# Altium PCB Spektrop2_PCB_Combined_CMV4000_V1.PcbDoc (part 1 of 6)
Units mm, origin at the board's own origin, x right, y up, seen from the top; angles counter-clockwise.
Board outline 87 x 42 mm, 8 copper layers (TOP, L1-GND, L2, L3-1V8, L4-PWR, L5, L6-P2V5, BTM), stack 1.588 mm thick; 353 components, 311 nets, 2431 pads, 951 vias.
Unrouted connection lines stored in the file: 2.
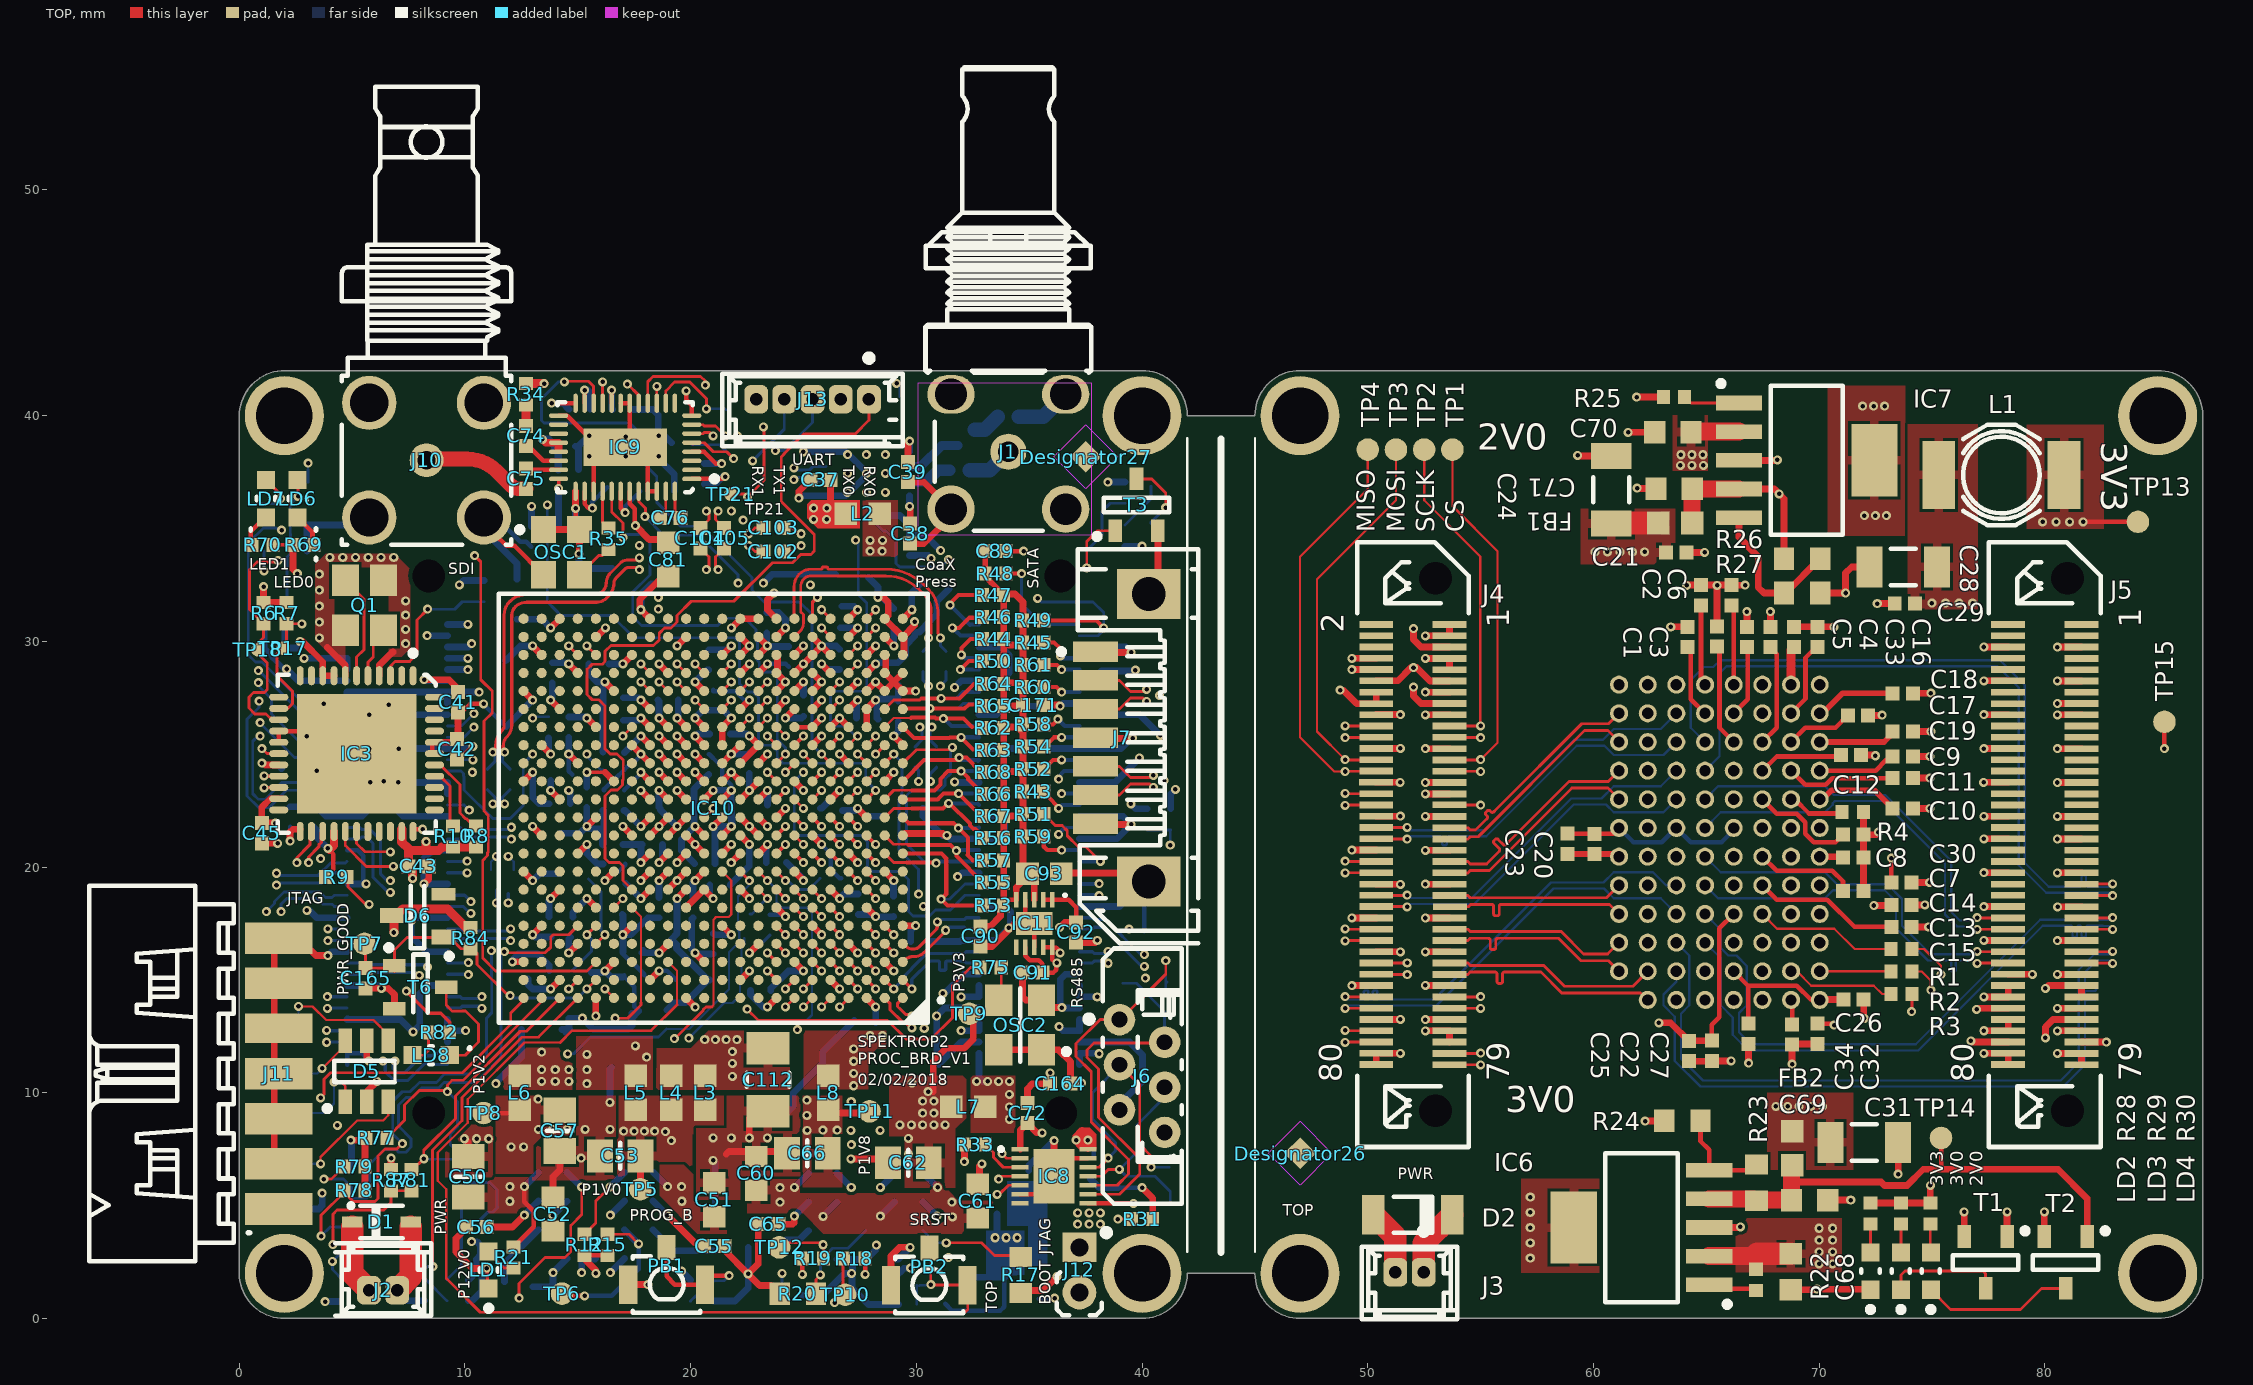
[diagram p0: TOP view]
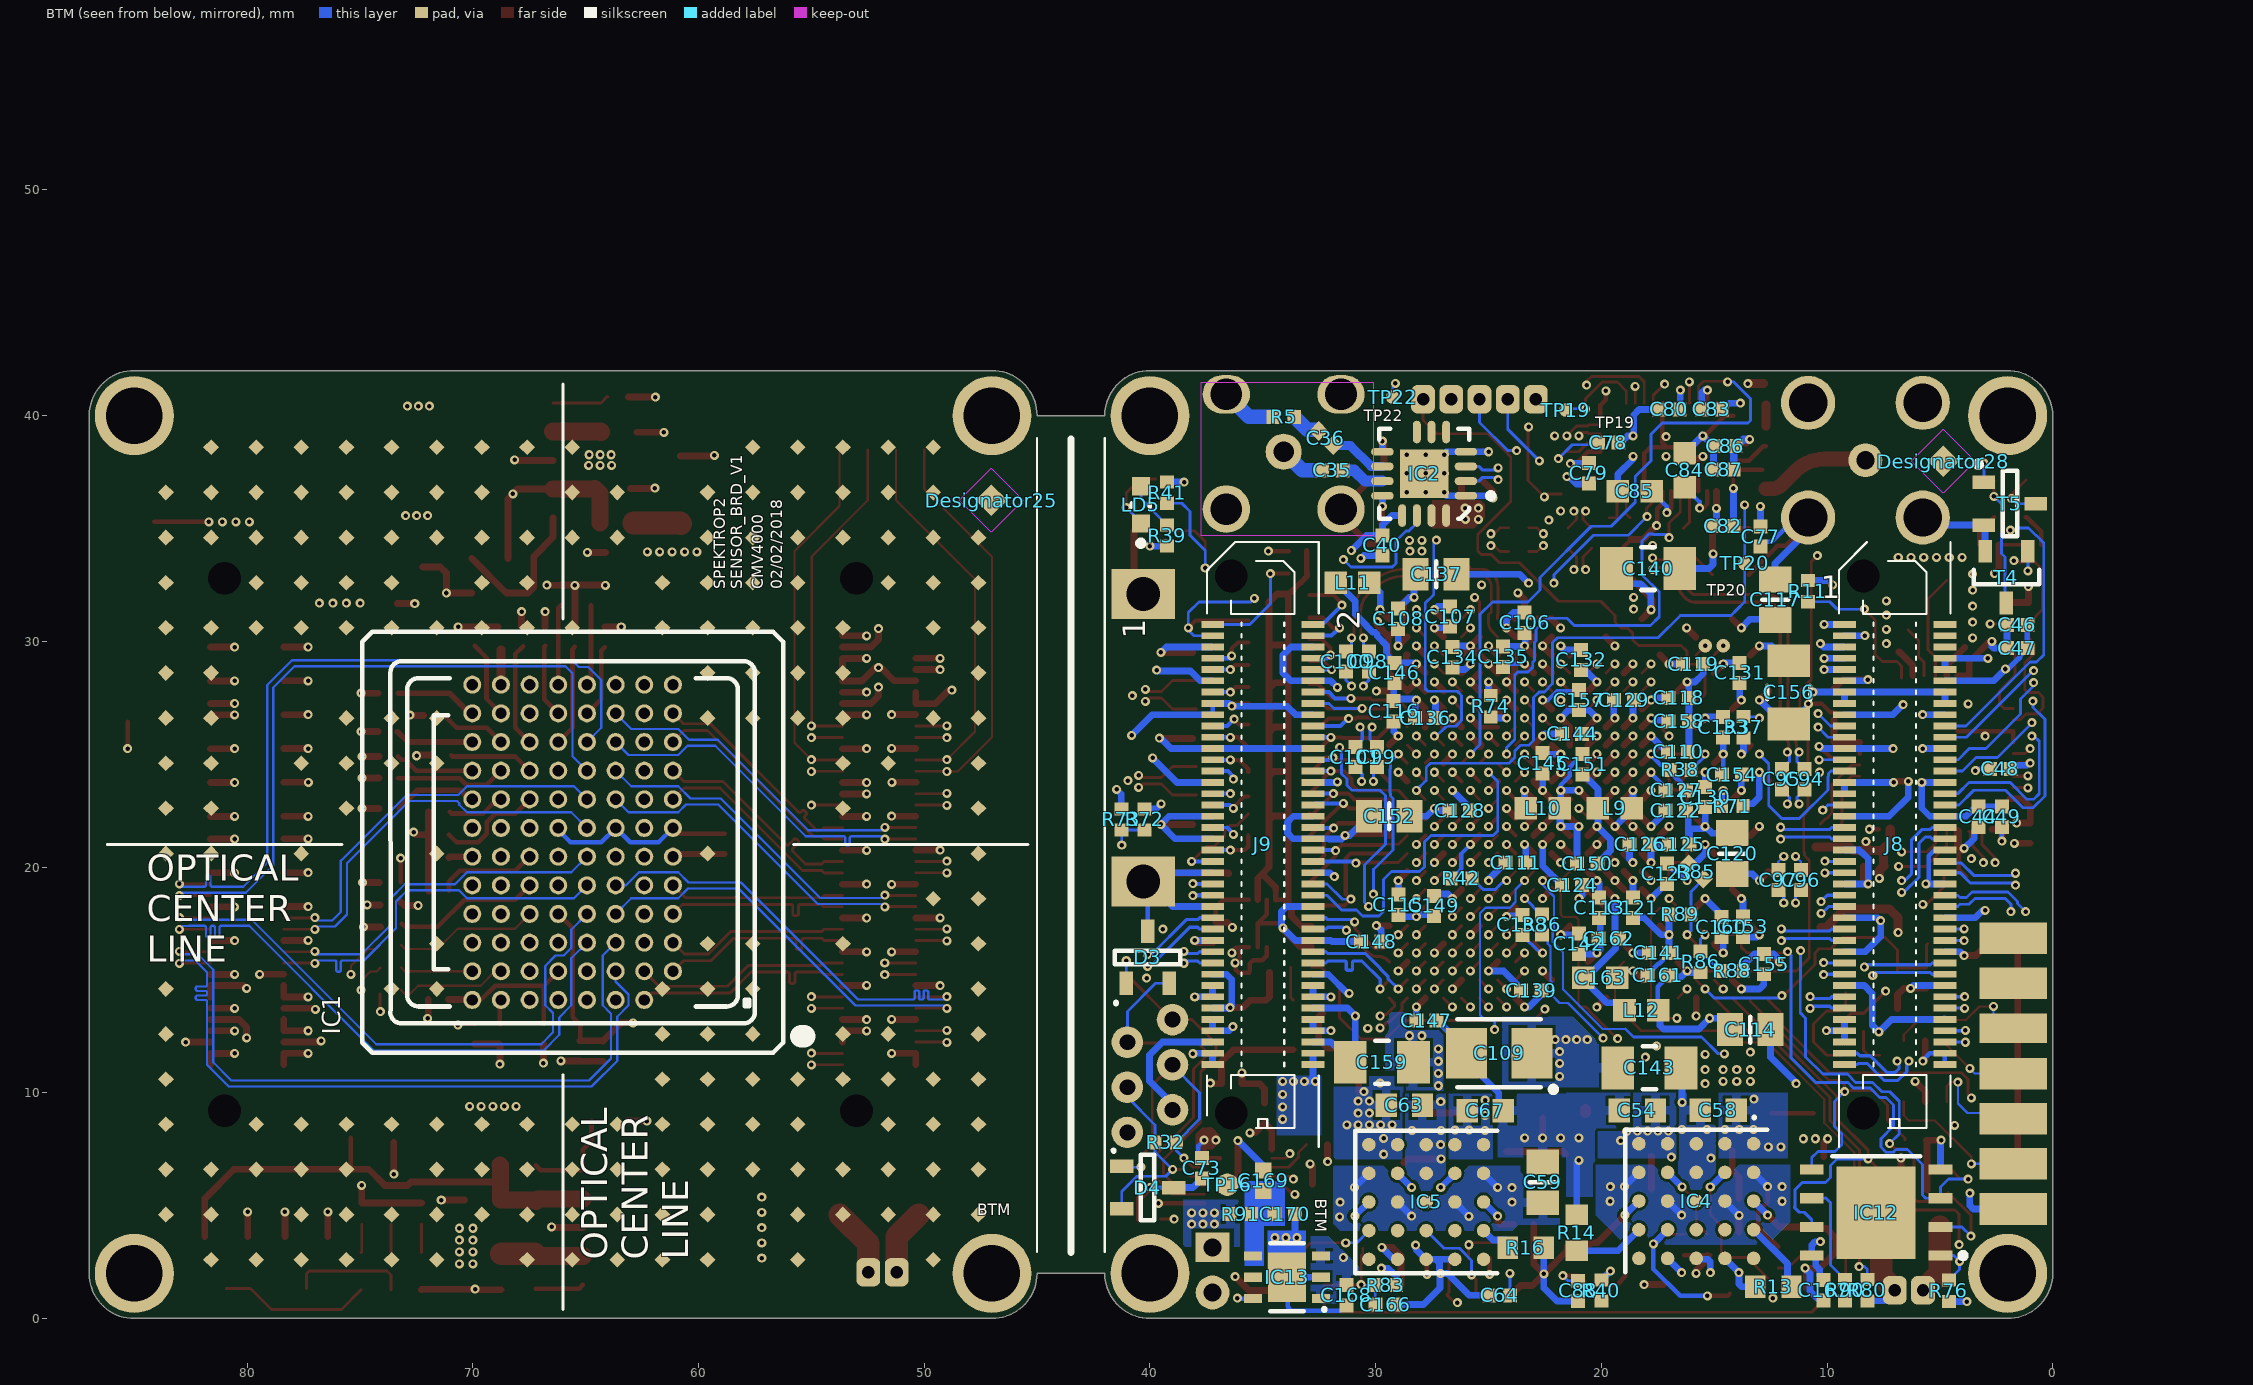
[diagram p1: BTM view, seen from below]
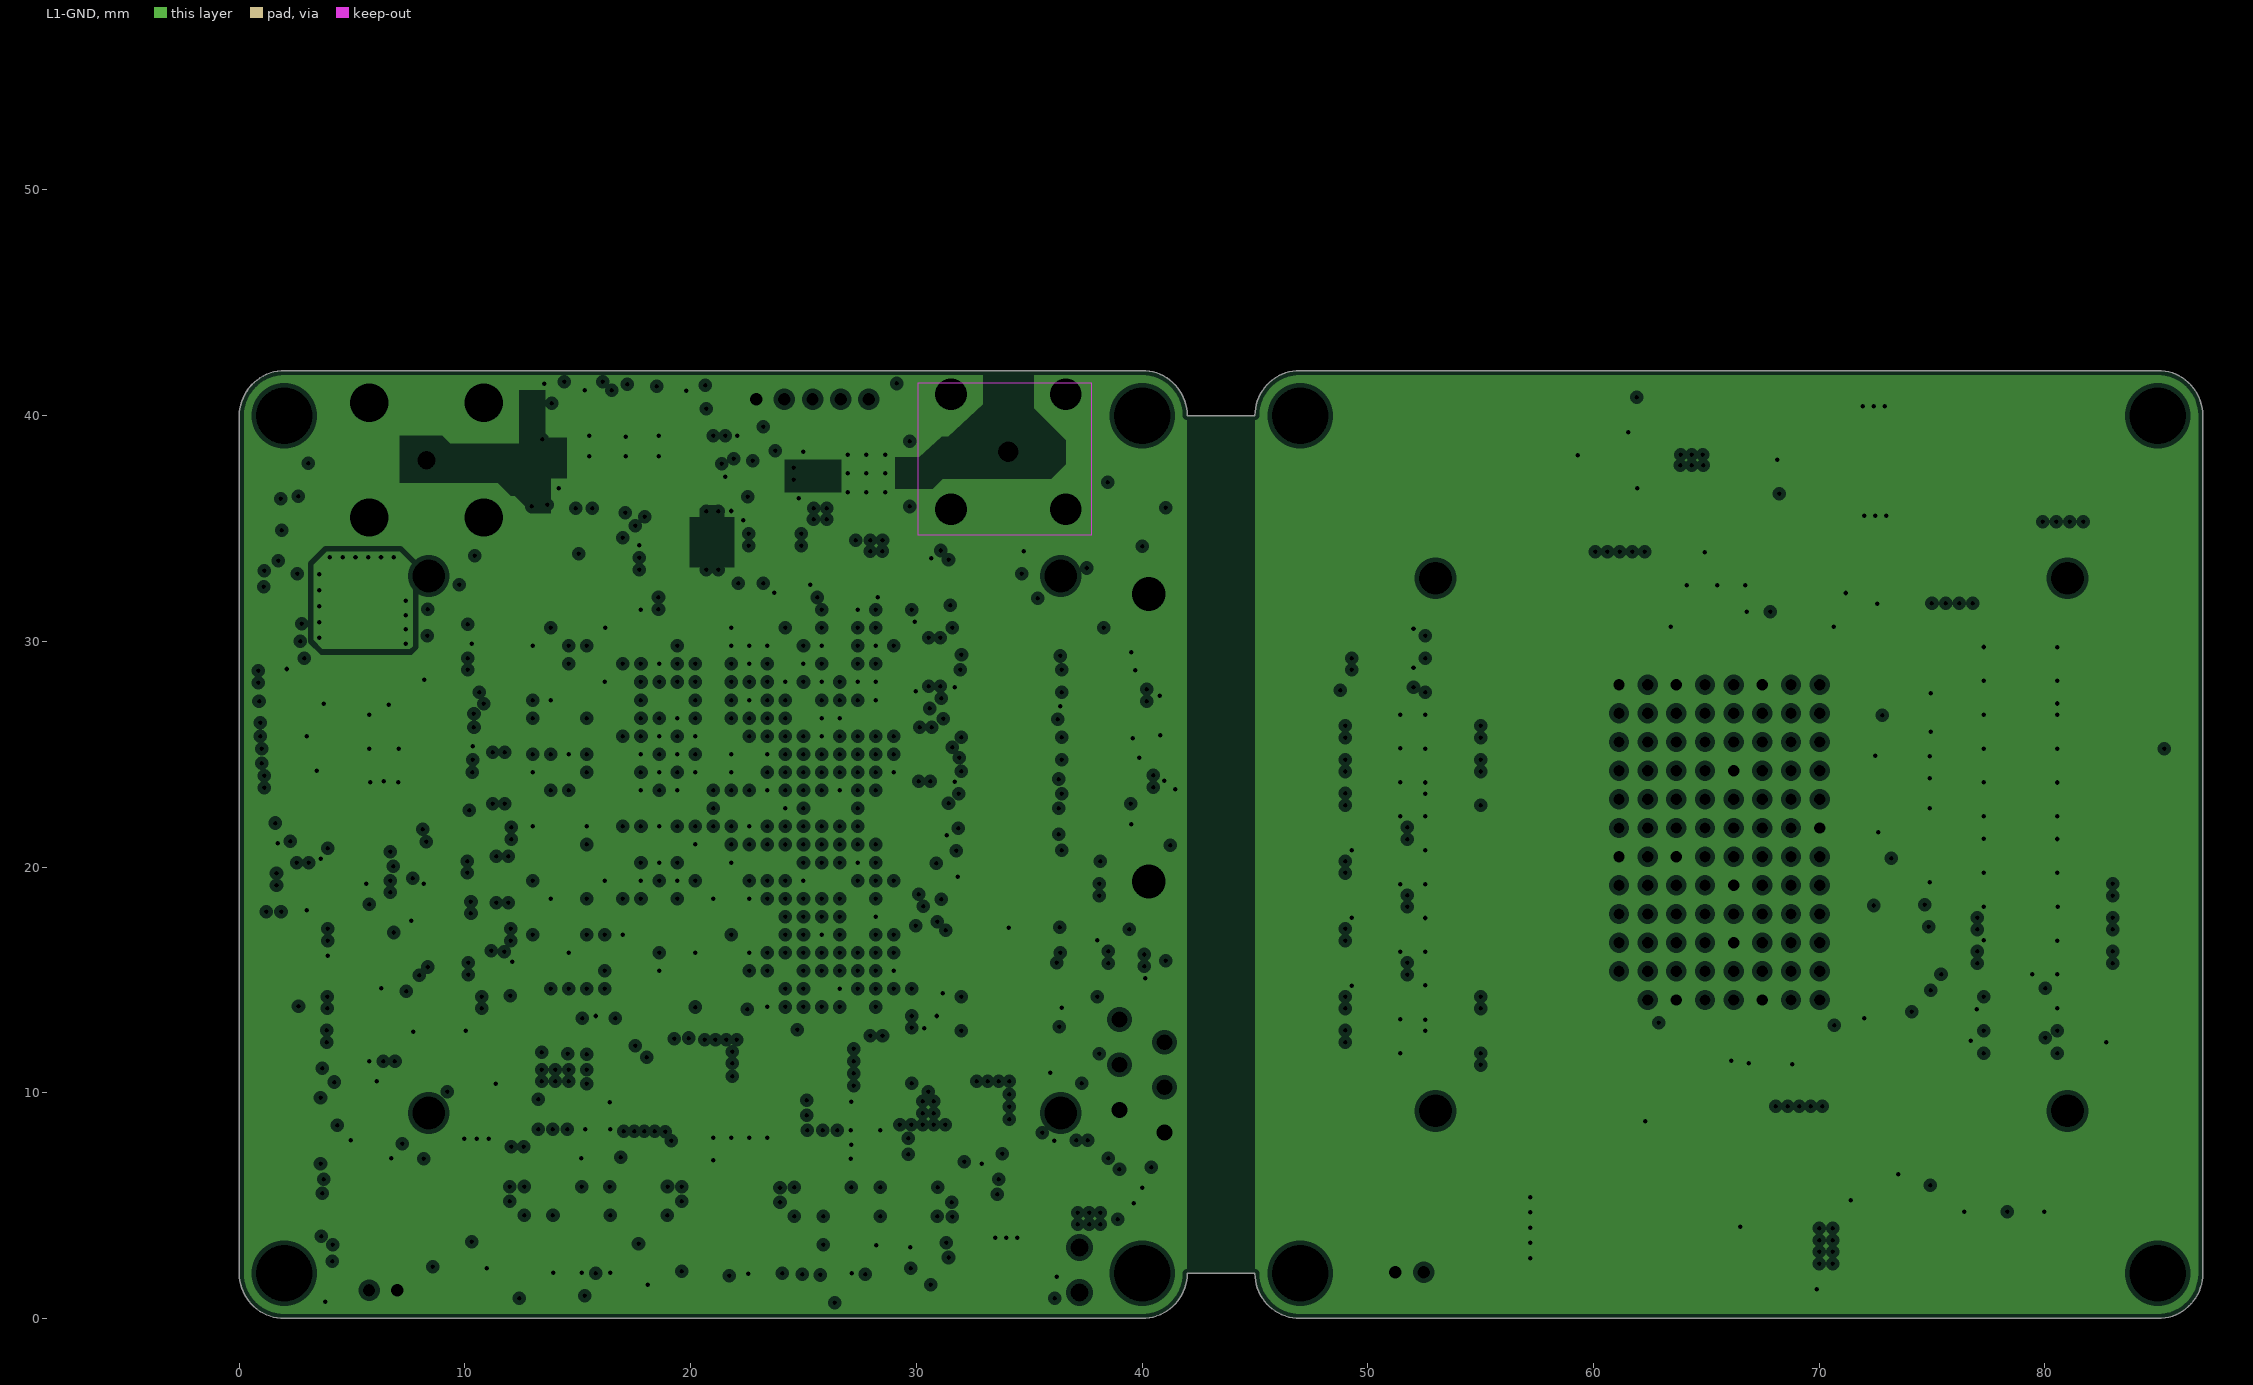
[diagram p2: L1-GND, clearances drawn from the general rule]
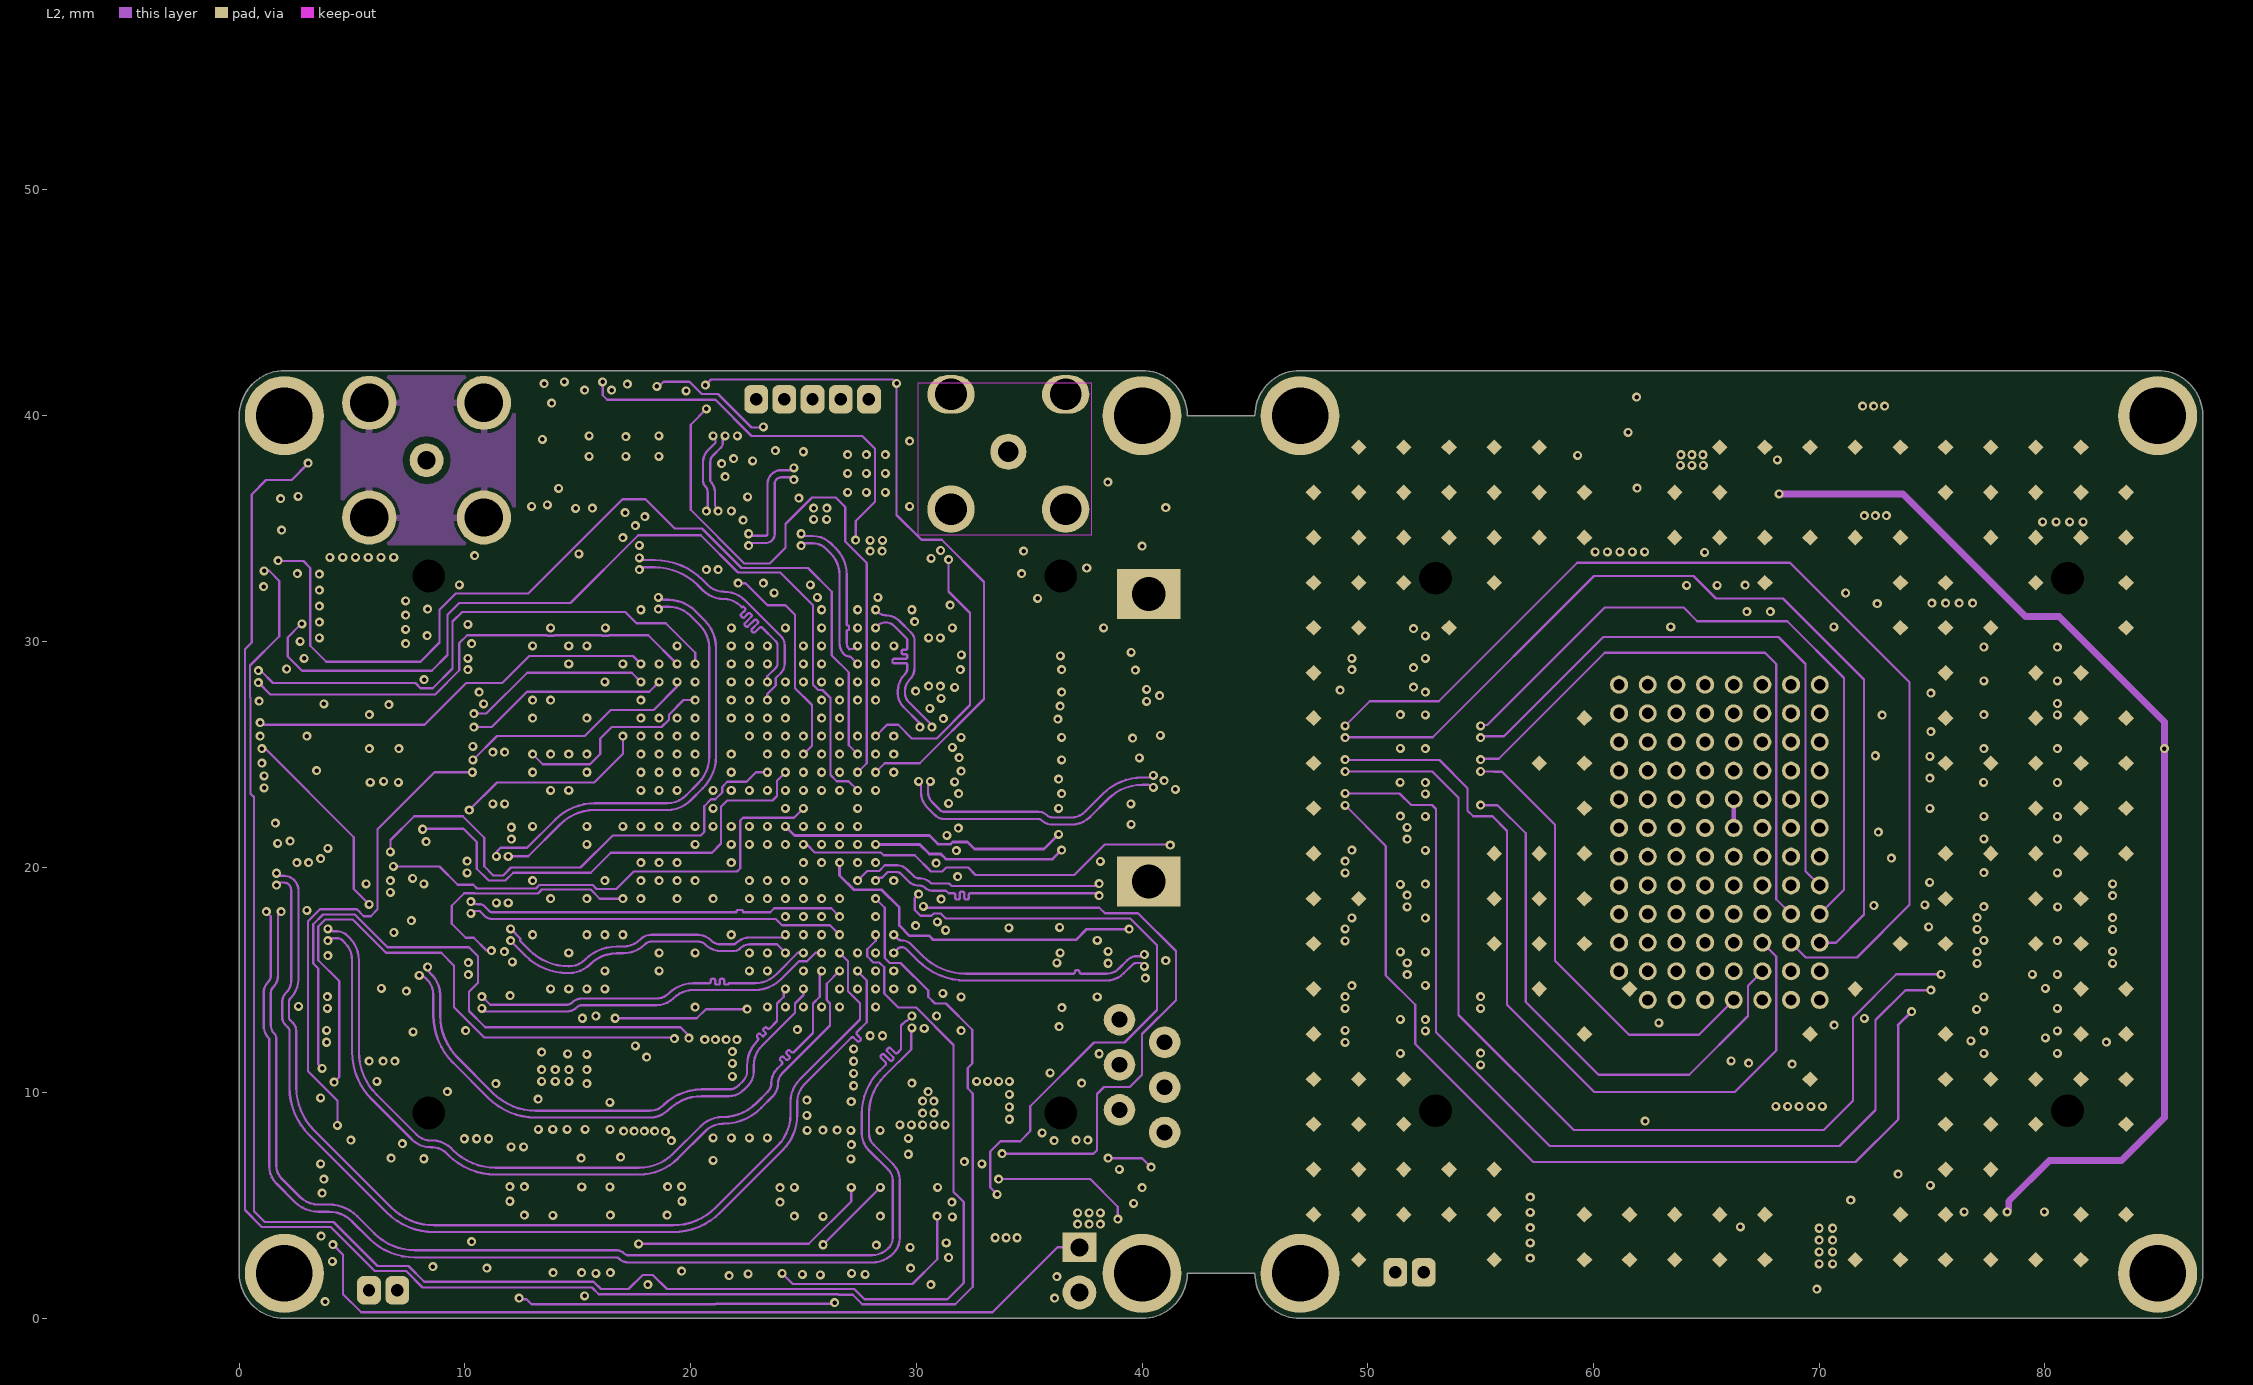
[diagram p3: L2]
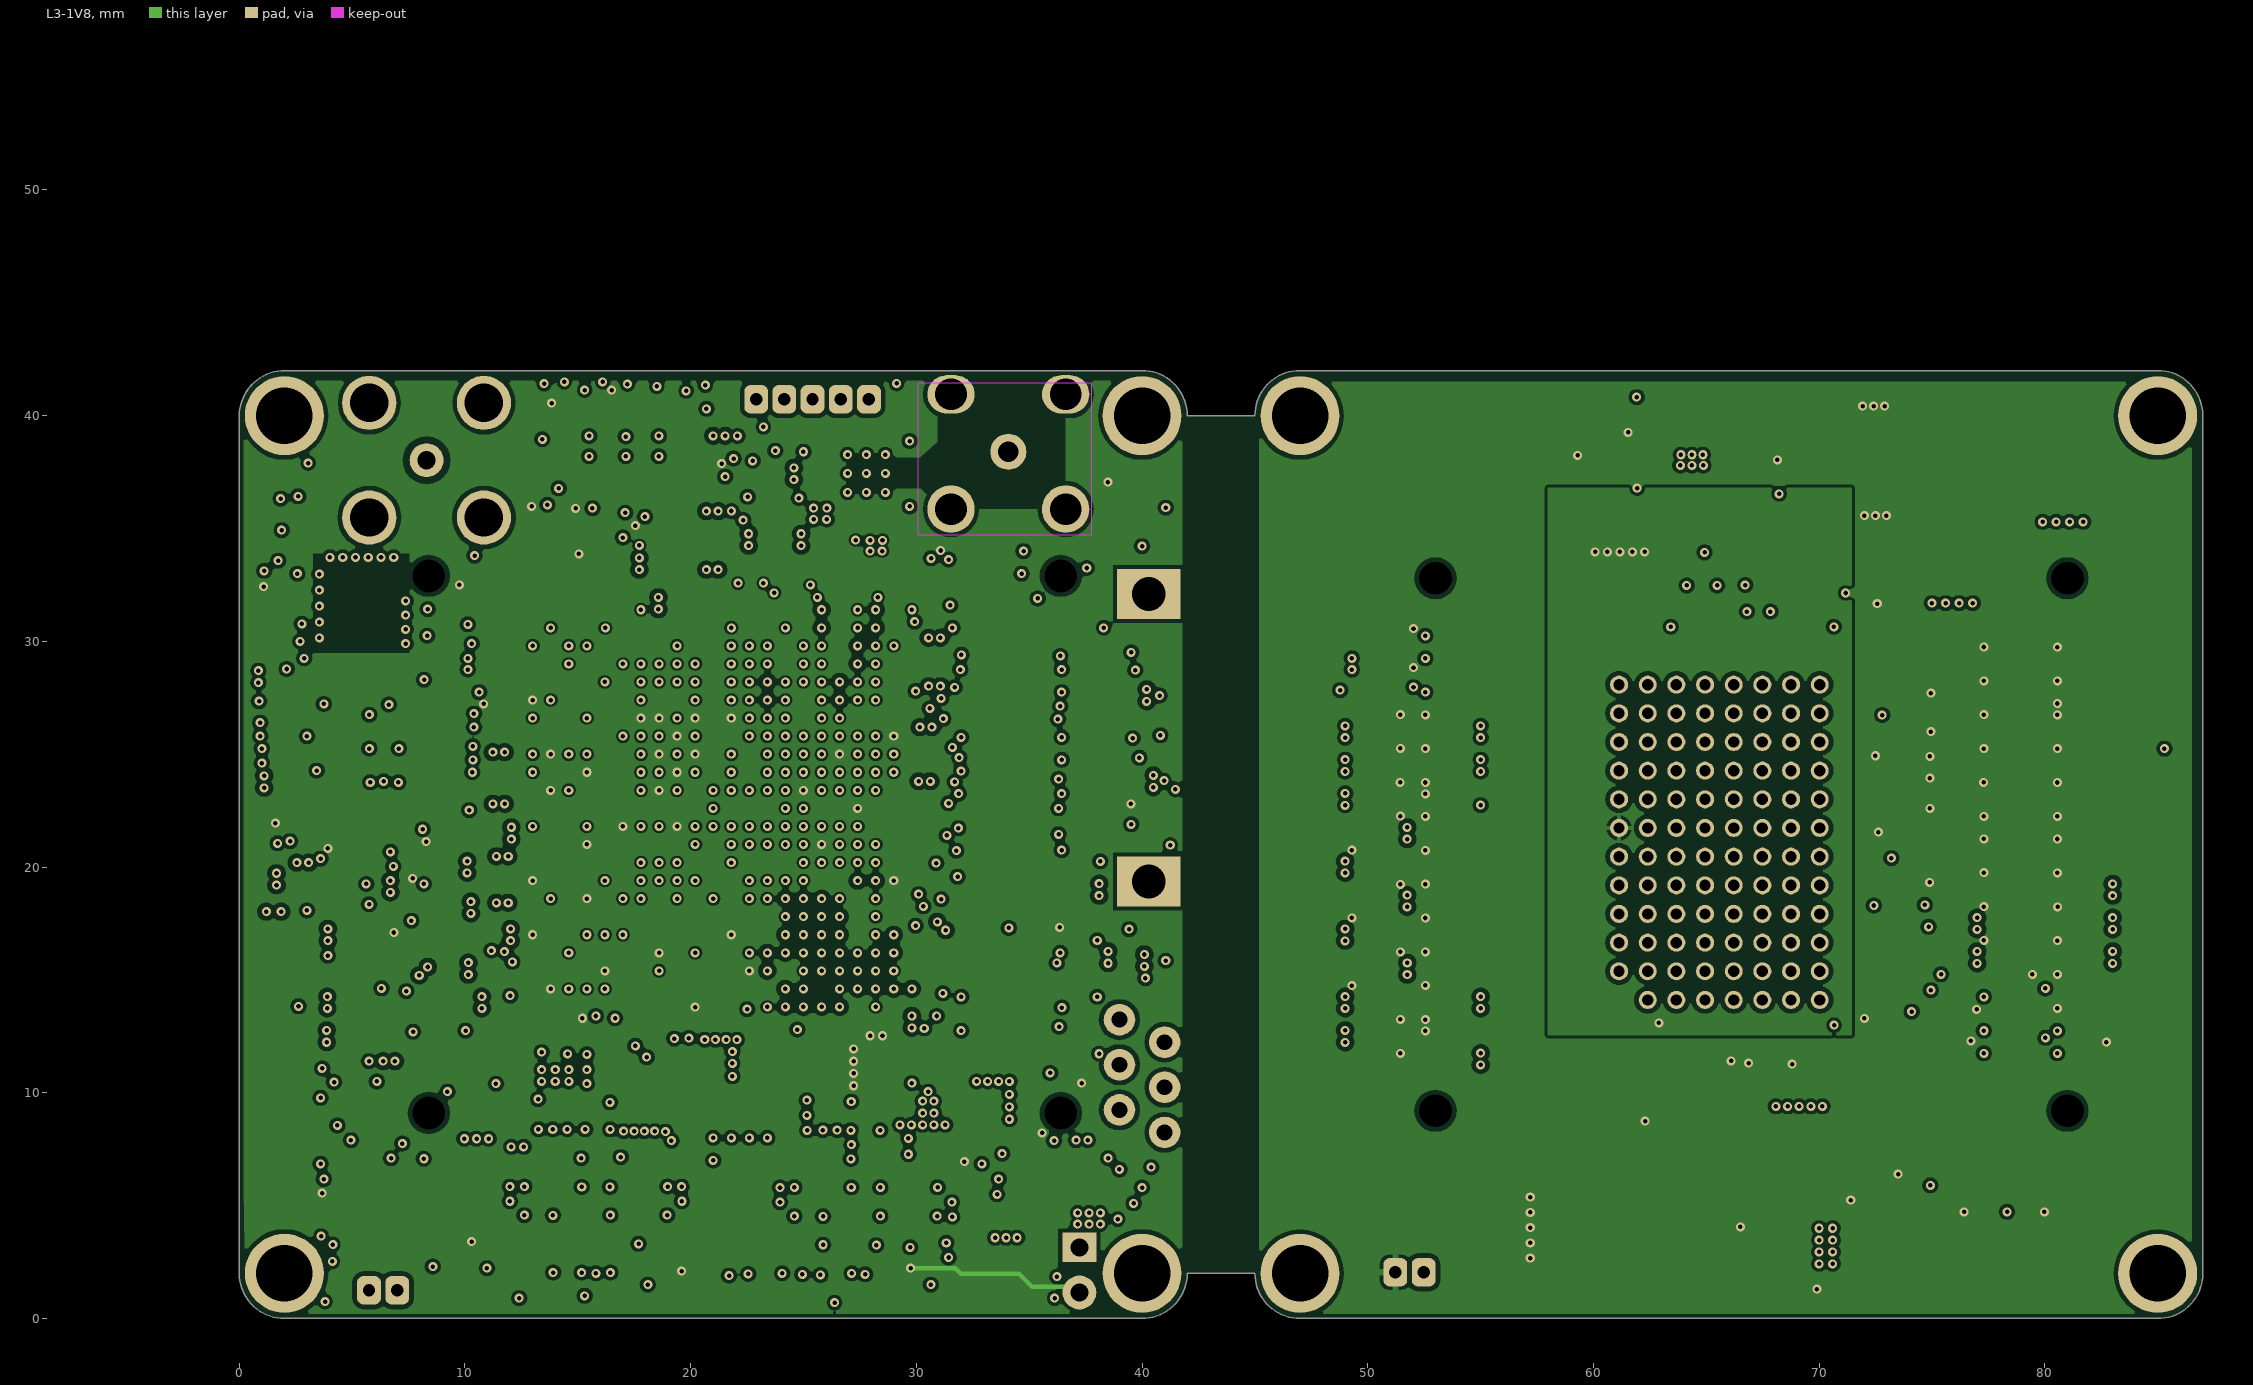
[diagram p4: L3-1V8]